# KiCad board corne-choc-wireless.kicad_pcb
title: Corne Choc Wireless; date: 2023-11-06; rev: 1.0.0; company: foostan & GsvCargoCult
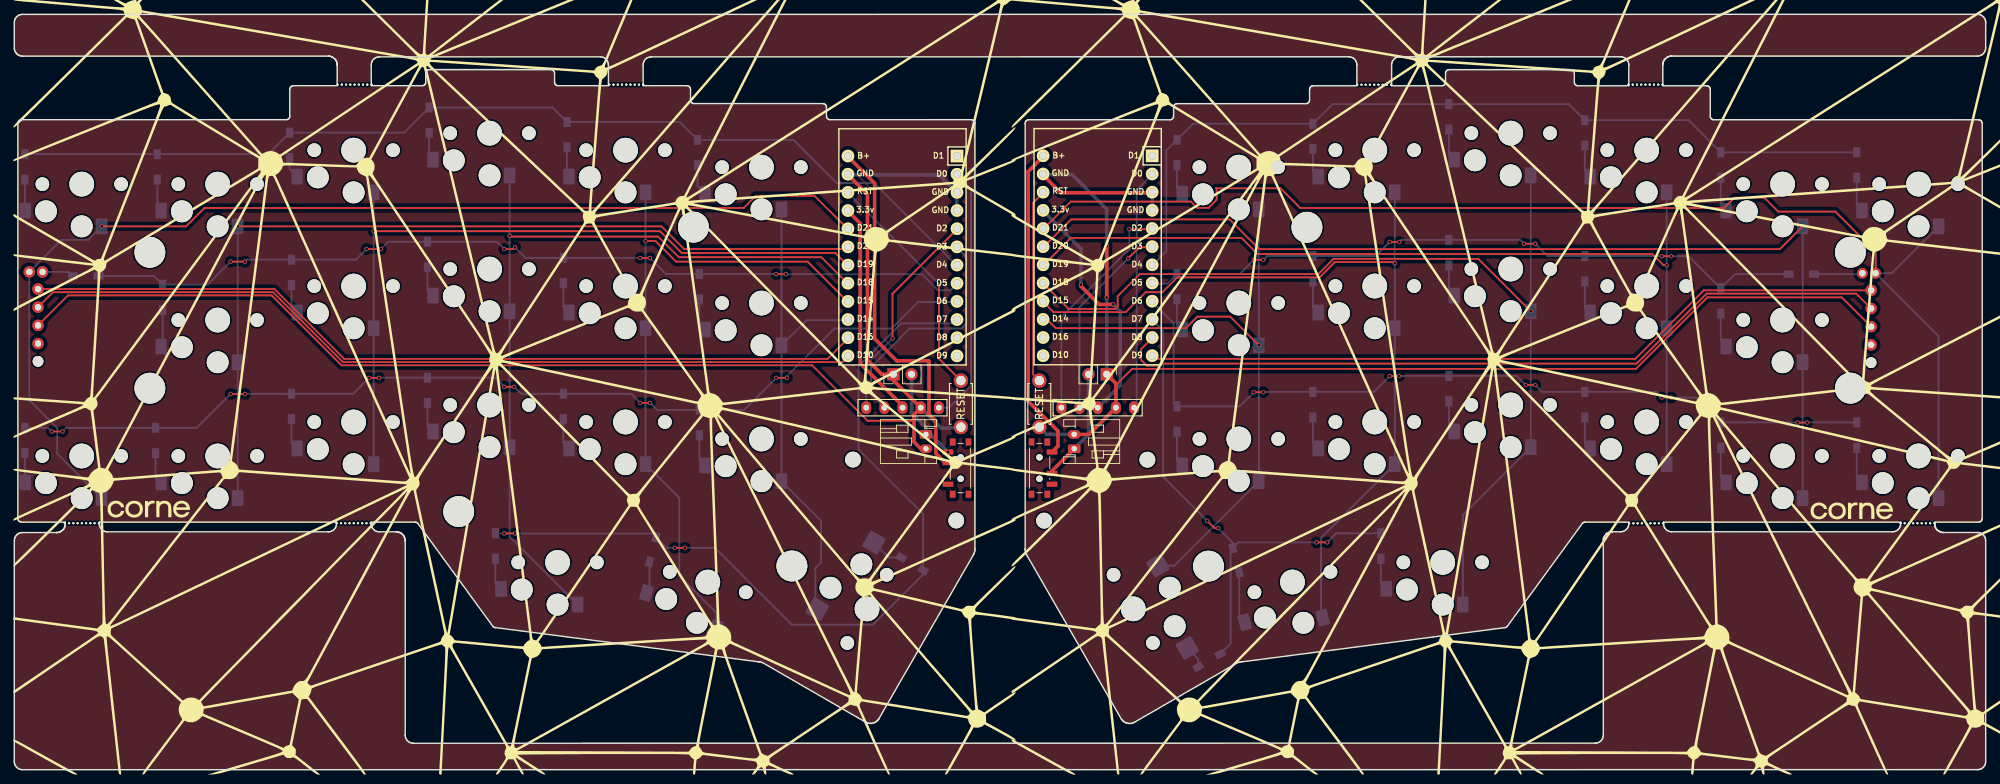
[diagram p0: board, top side]
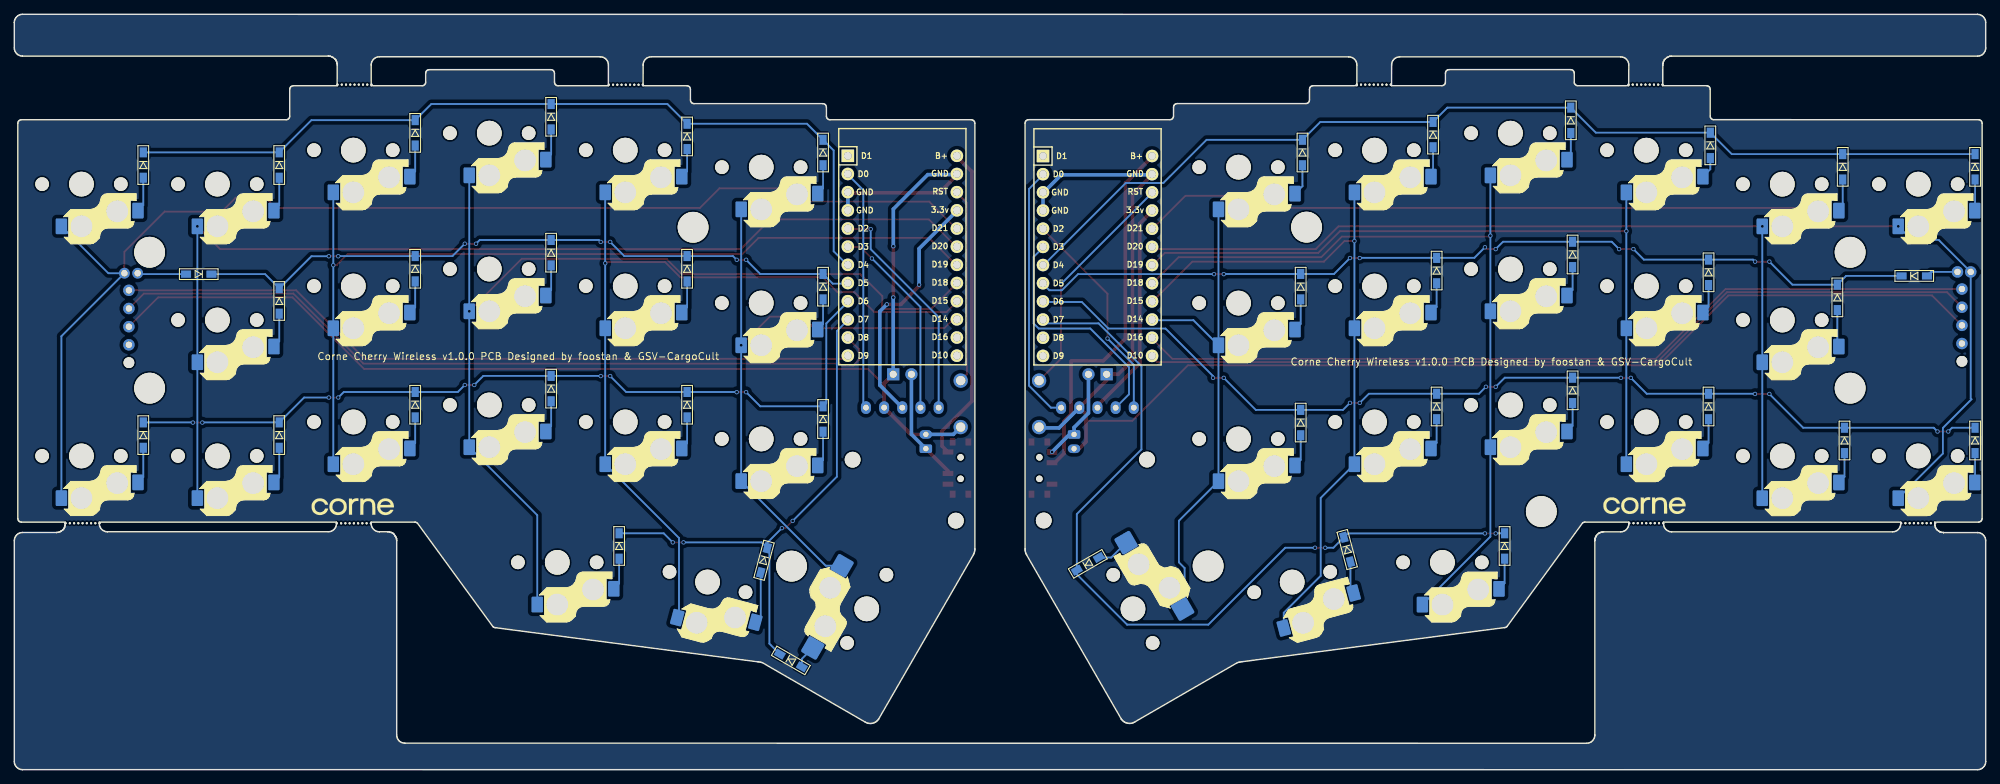
[diagram p1: board, bottom side, seen from below]

Outline 275.51 x 105.6 mm; copper layers: Top, Bottom. Coordinates in mm from the lower left corner of the outline.
Outline path: 0.5,35.12 0.5,90.36 0.53,90.53 0.6,90.66 0.7,90.76 0.83,90.83 1,90.86 38,90.87 ; 0.5,35.11 0.53,34.94 0.6,34.81 0.7,34.71 0.83,34.64 1,34.61 7.12,34.61 7.12,34.38 7.12,34.38 7.1,34.15 7.1,34.14 7.03,33.92 7.03,33.91 7.03,33.91 6.92,33.71 6.92,33.7 6.77,33.52 6.77,33.51 6.76,33.51 6.58,33.36 6.58,33.36 6.37,33.25 6.36,33.24 6.14,33.17 6.13,33.17 5.9,33.15 1.13,33.15 0.91,33.13 0.7,33.06 0.5,32.95 0.33,32.81 0.19,32.64 0.09,32.45 0.02,32.23 0,32.01 0,1.13 0.02,0.91 0.09,0.7 0.2,0.5 0.34,0.33 0.51,0.19 0.7,0.08 0.92,0.02 1.14,0 274.37,0.01 274.38,0.01 274.6,0.03 274.81,0.1 275.01,0.2 275.18,0.34 275.32,0.52 275.42,0.71 275.49,0.92 275.51,1.15 275.51,32.03 275.48,32.25 275.42,32.46 275.31,32.66 275.17,32.83 275,32.97 274.8,33.07 274.59,33.14 274.37,33.16 269.62,33.16 269.38,33.18 269.38,33.18 269.37,33.18 269.15,33.25 269.14,33.25 268.94,33.36 268.93,33.37 268.75,33.51 268.75,33.52 268.74,33.52 268.6,33.7 268.59,33.71 268.48,33.91 268.48,33.92 268.41,34.14 268.41,34.15 268.38,34.38 268.38,34.39 268.38,34.39 268.39,34.6 274.52,34.6 274.69,34.64 274.82,34.7 274.92,34.81 274.99,34.94 275.02,35.11 ; 38,90.86 38.17,90.89 38.3,90.96 38.4,91.06 38.47,91.19 38.5,91.36 ; 38.5,95.12 38.5,91.37 ; 38.5,95.11 38.53,95.28 38.6,95.41 38.7,95.51 38.83,95.58 39,95.61 45.13,95.61 45.13,98.51 45.13,98.52 45.1,98.76 45.1,98.77 45.1,98.77 45.03,98.99 45.03,98.99 44.92,99.2 44.91,99.21 44.91,99.21 44.76,99.39 44.76,99.39 44.58,99.54 44.57,99.55 44.36,99.65 44.36,99.65 44.36,99.66 44.13,99.72 44.12,99.73 43.89,99.75 1.14,99.75 0.92,99.77 0.7,99.83 0.51,99.94 0.34,100.08 0.2,100.25 0.09,100.44 0.02,100.66 0,100.88 0,104.45 0.02,104.67 0.09,104.88 0.19,105.08 0.33,105.25 0.5,105.39 0.7,105.5 0.91,105.56 1.13,105.59 1.14,105.59 274.37,105.6 274.59,105.57 274.8,105.51 275,105.4 275.17,105.27 275.31,105.09 275.42,104.9 275.48,104.69 275.51,104.46 275.51,100.9 275.49,100.68 275.42,100.46 275.32,100.27 275.18,100.09 275.01,99.95 274.81,99.85 274.6,99.78 274.38,99.76 231.61,99.76 231.38,99.73 231.37,99.73 231.14,99.66 231.14,99.66 230.93,99.55 230.93,99.54 230.92,99.54 230.75,99.4 230.74,99.39 230.74,99.39 230.59,99.21 230.59,99.2 230.59,99.2 230.59,99.2 230.48,99 230.47,98.99 230.47,98.99 230.41,98.77 230.41,98.76 230.41,98.76 230.38,98.52 230.38,98.52 230.39,95.61 236.52,95.61 236.69,95.58 236.82,95.5 236.92,95.4 236.99,95.27 237.02,95.11 ; 55.77,3.7 55.54,3.72 55.33,3.78 55.13,3.89 54.96,4.03 54.82,4.2 54.71,4.4 54.65,4.61 54.63,4.83 54.63,32.02 54.6,32.26 54.6,32.27 54.53,32.49 54.53,32.49 54.42,32.7 54.41,32.71 54.26,32.89 54.26,32.89 54.08,33.04 54.07,33.04 54.07,33.04 54.07,33.05 53.86,33.15 53.86,33.16 53.63,33.22 53.63,33.23 53.62,33.23 53.39,33.25 51.02,33.25 50.79,33.27 50.58,33.33 50.38,33.44 50.21,33.58 50.07,33.75 49.96,33.94 49.9,34.16 49.88,34.38 49.88,34.39 49.87,34.61 56,34.61 56.09,34.6 56.24,34.55 56.36,34.47 66.9,20.01 67.02,19.92 67.16,19.87 67.25,19.86 103.92,15.09 104.08,15.07 104.26,15.04 104.42,15.01 104.58,14.96 118.87,6.7 119,6.63 119.14,6.56 119.29,6.51 119.46,6.48 119.64,6.47 119.83,6.48 120,6.51 120.15,6.56 120.3,6.63 120.42,6.7 120.55,6.79 120.65,6.89 120.74,7 120.8,7.08 120.8,7.08 134.03,30.02 134.1,30.15 134.16,30.29 134.2,30.45 134.24,30.62 134.25,30.8 134.25,30.89 ; 55.77,3.7 220.93,3.71 220.94,3.71 221.16,3.73 221.37,3.8 221.57,3.9 221.74,4.04 221.88,4.22 221.98,4.41 222.05,4.63 222.07,4.85 222.07,32.02 222.09,32.26 222.09,32.26 222.09,32.27 222.16,32.49 222.16,32.49 222.17,32.5 222.28,32.7 222.28,32.71 222.43,32.89 222.43,32.89 222.43,32.9 222.61,33.04 222.62,33.05 222.82,33.16 222.83,33.16 222.83,33.16 223.05,33.23 223.06,33.23 223.29,33.26 224.5,33.26 224.72,33.28 224.94,33.35 225.13,33.45 225.3,33.59 225.44,33.77 225.55,33.96 225.61,34.18 225.63,34.4 225.64,34.6 219.52,34.6 219.43,34.6 219.28,34.54 219.16,34.46 208.62,20 208.51,19.92 208.36,19.86 208.27,19.86 171.6,15.09 171.44,15.06 171.26,15.04 171.1,15 170.94,14.96 156.65,6.7 156.52,6.62 156.39,6.56 156.23,6.5 156.07,6.47 155.88,6.46 155.69,6.47 155.52,6.5 155.37,6.55 155.23,6.62 155.1,6.69 154.99,6.78 154.88,6.88 154.78,6.98 154.72,7.07 154.72,7.07 141.49,30.01 ; 57,95.62 49.89,95.62 49.88,98.51 49.9,98.73 49.96,98.95 50.07,99.14 50.21,99.31 50.38,99.45 50.57,99.56 50.78,99.63 51.01,99.65 81.88,99.65 82.11,99.63 82.32,99.56 82.52,99.46 82.69,99.32 82.83,99.15 82.94,98.95 83,98.74 83.02,98.52 83.02,98.51 83.04,95.61 76,95.61 75.83,95.64 75.7,95.71 75.6,95.81 75.53,95.94 75.5,96.11 ; 57,95.61 57.17,95.64 57.3,95.71 57.4,95.81 57.48,95.94 57.5,96.11 ; 57.5,96.12 57.5,97.36 57.53,97.53 57.6,97.66 57.7,97.76 57.83,97.83 58,97.86 ; 75,97.87 58,97.87 ; 75,97.86 75.17,97.83 75.3,97.76 75.4,97.67 75.47,97.53 75.5,97.36 ; 75.5,96.12 75.5,97.37 ; 94,95.62 87.88,95.62 87.88,98.51 87.9,98.73 87.96,98.95 88.06,99.14 88.21,99.31 88.38,99.45 88.57,99.56 88.79,99.63 89.01,99.65 89.01,99.65 186.49,99.66 186.72,99.64 186.93,99.57 187.12,99.47 187.3,99.33 187.44,99.16 187.54,98.96 187.61,98.75 187.63,98.53 187.63,98.52 187.64,95.61 181.52,95.61 ; 94,95.61 94.17,95.59 94.3,95.51 94.4,95.42 94.47,95.28 94.5,95.11 ; 94.5,93.62 94.5,95.12 ; 94.5,93.61 94.53,93.44 94.6,93.31 94.7,93.21 94.83,93.14 95,93.11 ; 113,93.12 95,93.12 ; 113,93.11 113.17,93.08 113.3,93.01 113.4,92.92 113.47,92.78 113.5,92.61 ; 113.5,92.62 113.5,91.36 113.53,91.19 113.6,91.06 113.7,90.96 113.84,90.89 114,90.86 133.75,90.87 ; 133.75,90.86 133.92,90.84 134.05,90.76 134.15,90.67 134.22,90.53 134.25,90.36 ; 134.25,90.37 134.25,30.89 ; 141.27,90.36 141.27,30.88 ; 141.27,90.36 141.3,90.53 141.37,90.66 141.47,90.76 141.6,90.83 141.77,90.86 ; 141.27,30.88 141.27,30.79 141.29,30.6 141.32,30.44 141.37,30.28 141.43,30.14 141.5,30.01 ; 141.77,90.86 161.52,90.86 161.69,90.88 161.82,90.95 161.92,91.05 161.99,91.18 162.02,91.36 162.02,92.61 ; 162.02,92.61 162.05,92.78 162.12,92.91 162.22,93.01 162.35,93.08 162.52,93.11 ; 162.52,93.11 180.52,93.11 ; 180.52,93.11 180.69,93.13 180.81,93.21 180.92,93.3 180.99,93.43 181.02,93.61 ; 181.02,95.11 181.05,95.28 181.12,95.4 181.22,95.51 181.35,95.58 181.52,95.61 ; 181.02,93.61 181.02,95.11 ; 200.02,97.36 200.05,97.53 200.12,97.66 200.22,97.76 200.35,97.83 200.52,97.86 ; 200.02,96.11 200.02,97.36 ; 200.02,96.11 199.99,95.94 199.92,95.8 199.82,95.7 199.69,95.63 199.52,95.61 192.48,95.61 192.48,98.52 192.5,98.74 192.57,98.95 192.67,99.15 192.81,99.32 192.98,99.46 193.18,99.57 193.39,99.63 193.61,99.66 224.49,99.66 224.72,99.64 224.93,99.57 225.13,99.47 225.3,99.33 225.44,99.16 225.54,98.96 225.61,98.75 225.63,98.53 225.63,98.52 225.63,95.61 218.52,95.61 ; 200.52,97.86 217.52,97.86 ; 217.52,97.86 217.69,97.83 217.82,97.75 217.92,97.66 217.99,97.53 218.02,97.36 ; 218.02,97.36 218.02,96.11 ; 218.02,96.11 218.05,95.94 218.12,95.81 218.22,95.71 218.35,95.64 218.52,95.61 ; 237.02,95.11 237.02,91.36 ; 237.02,91.36 237.05,91.19 237.12,91.06 237.22,90.96 237.35,90.89 237.52,90.86 ; 237.52,90.86 274.52,90.86 274.69,90.83 274.82,90.75 274.92,90.66 274.99,90.52 275.02,90.36 275.02,35.11 ; 11.87,34.39 11.87,34.38 11.9,34.16 11.96,33.94 12.07,33.75 12.21,33.58 12.38,33.44 12.58,33.33 12.79,33.27 13.01,33.25 43.89,33.25 44.12,33.27 44.33,33.34 44.52,33.44 44.69,33.58 44.84,33.76 44.94,33.95 45,34.17 45.03,34.39 45.03,34.61 11.88,34.61 11.87,34.39 ; 230.48,34.4 230.48,34.39 230.51,34.17 230.57,33.95 230.68,33.76 230.82,33.59 230.99,33.45 231.19,33.34 231.4,33.28 231.62,33.26 262.5,33.26 262.72,33.28 262.94,33.35 263.13,33.45 263.3,33.59 263.44,33.77 263.55,33.96 263.61,34.18 263.63,34.4 263.64,34.61 230.49,34.61 230.48,34.4
Stack: Top 0.035mm / dielectric 1.51mm FR4 er 4.5 / Bottom 0.035mm

## Placement (name value [footprint] x y rotation side)
BATJ1  Conn_01x02_Socket  [PinHeader_1x02_P2.54mm_Vertical]  122.85 55.27 90 top
BATJ2  Conn_01x02_Socket  [JST_PH_S2B-PH-K_1x02_P2.00mm_Horizontal]  127.4 46.86 270 top
BATJ3  Conn_01x02_Socket  [PinHeader_1x02_P2.54mm_Vertical]  152.68 55.27 270 top
BATJ4  Conn_01x02_Socket  [JST_PH_S2B-PH-K_1x02_P2.00mm_Horizontal]  148.12 44.87 90 top
D1  D  [D3_SMD_v2]  1.48 84.27 270 bottom
D2  D  [D3_SMD_v2]  19.98 84.27 270 bottom
D3  D  [D3_SMD_v2]  38.48 87.27 270 bottom
D4  D  [D3_SMD_v2]  57.98 90.77 270 bottom
D5  D  [D3_SMD_v2]  77.23 88.77 270 bottom
D6  D  [D3_SMD_v2]  95.48 86.27 270 bottom
D7  D  [D3_SMD_v2]  9.98 69.02 180 bottom
D8  D  [D3_SMD_v2]  20.73 66.02 270 bottom
D9  D  [D3_SMD_v2]  38.73 69.52 270 bottom
D10  D  [D3_SMD_v2]  57.73 72.02 270 bottom
D11  D  [D3_SMD_v2]  76.73 69.77 270 bottom
D12  D  [D3_SMD_v2]  95.73 67.52 270 bottom
D13  D  [D3_SMD_v2]  1.48 46.02 270 bottom
D14  D  [D3_SMD_v2]  19.73 46.02 270 bottom
D15  D  [D3_SMD_v2]  38.73 50.77 270 bottom
D16  D  [D3_SMD_v2]  57.73 53.02 270 bottom
D17  D  [D3_SMD_v2]  76.73 50.77 270 bottom
D18  D  [D3_SMD_v2]  95.73 48.52 270 bottom
D19  D  [D3_SMD_v2]  67.23 31.27 270 bottom
D20  D  [D3_SMD_v2]  89.23 30.77 255 bottom
D21  D  [D3_SMD_v2]  125.48 28.77 150 bottom
D22  D  [D3_SMD_v2]  257.48 84.52 270 bottom
D23  D  [D3_SMD_v2]  238.48 84.52 270 bottom
D24  D  [D3_SMD_v2]  219.48 89.02 270 bottom
D25  D  [D3_SMD_v2]  200.48 91.27 270 bottom
D26  D  [D3_SMD_v2]  181.48 88.52 270 bottom
D27  D  [D3_SMD_v2]  162.48 86.27 270 bottom
D28  D  [D3_SMD_v2]  249.73 69.27 0 bottom
D29  D  [D3_SMD_v2]  238.48 65.52 270 bottom
D30  D  [D3_SMD_v2]  219.48 70.02 270 bottom
D31  D  [D3_SMD_v2]  200.48 72.27 270 bottom
D32  D  [D3_SMD_v2]  181.48 70.02 270 bottom
D33  D  [D3_SMD_v2]  162.48 67.52 270 bottom
D34  D  [D3_SMD_v2]  257.48 46.77 270 bottom
D35  D  [D3_SMD_v2]  238.48 46.77 270 bottom
D36  D  [D3_SMD_v2]  219.48 51.02 270 bottom
D37  D  [D3_SMD_v2]  200.48 53.27 270 bottom
D38  D  [D3_SMD_v2]  181.48 51.02 270 bottom
D39  D  [D3_SMD_v2]  162.48 49.02 270 bottom
D40  D  [D3_SMD_v2]  190.98 31.27 270 bottom
D41  D  [D3_SMD_v2]  170.73 29.27 285 bottom
D42  D  [D3_SMD_v2]  166.98 15.27 210 bottom
G***  -  [LOGO]  209.4 69.34 0 top
G***#2  LOGO  [corne-logo-horizontal]  256.9 36.09 0 top
G***#3  LOGO  [corne-logo-horizontal]  18.9 36.34 0 top
G***#4  -  [LOGO]  69.9 69.34 0 top
G***#5  LOGO  [corne-logo-horizontal]  47.57 36.83 180 bottom
G***#6  LOGO  [corne-logo-horizontal]  228.1 36.68 180 bottom
J2  Nice!View  [nice_view_1side]  119.06 50.61 0 top
J4  Nice!View  [nice_view_1side]  146.33 50.61 0 top
L_ENC1  RollerEncoder_EVQWGD001  [RotaryEncoder_EVQWGD001#2]  8.94 63.38 0 top
PSW1  SW_SPDT  [SW_SPDT_PCM12]  131.92 42.16 90 top
PSW_r1  SW_SPDT  [SW_SPDT_PCM12]  143.6 42.16 270 top
R_ENC1  RollerEncoder_EVQWGD001  [RotaryEncoder_EVQWGD001]  265.12 63.2 0 top
REF**  -  [Breakaway_Tabs]  47.55 95.77 0 top
Ref**  Val**  [M2_HOLE_v2]  256.6 72.33 180 top
REF**#2  -  [Breakaway_Tabs]  85.52 95.76 0 top
Ref**#2  Val**  [M2_HOLE_v2#3]  131.64 34.83 0 top
REF**#3  -  [Breakaway_Tabs]  47.44 34.46 0 top
Ref**#3  Val**  [M2_HOLE_v2]  108.67 28.47 0 top
Ref**#4  Val**  [M2_HOLE_v2]  62.1 36.09 0 top
REF**#4  -  [Breakaway_Tabs]  9.44 34.46 0 top
Ref**#5  Val**  [M2_HOLE_v2#3]  117.21 43.36 0 top
REF**#5  -  [Breakaway_Tabs]  265.97 34.45 180 bottom
Ref**#6  Val**  [M2_HOLE_v2#2]  16.86 63.47 0 top
REF**#6  -  [Breakaway_Tabs]  190.05 95.75 180 bottom
Ref**#7  Val**  [M2_HOLE_v2]  94.91 75.84 0 top
REF**#7  -  [Breakaway_Tabs]  227.96 95.76 180 bottom
Ref**#8  Val**  [M2_HOLE_v2]  18.95 72.33 0 top
REF**#8  -  [Breakaway_Tabs]  228.05 34.44 180 bottom
Ref**#9  Val**  [M2_HOLE_v2]  166.89 28.45 180 top
Ref**#10  Val**  [M2_HOLE_v2]  180.65 75.82 180 top
Ref**#11  Val**  [M2_HOLE_v2#2]  258.69 63.47 180 bottom
Ref**#12  Val**  [M2_HOLE_v2#3]  158.35 43.34 180 bottom
Ref**#13  Val**  [M2_HOLE_v2#3]  143.92 34.81 180 bottom
RSW1  SW_PUSH  [ResetSW_1side]  132.29 51.14 90 top
RSW2  SW_PUSH  [ResetSW_1side]  143.25 51.14 90 top
SW1  SW_PUSH  [Hotswap_Choc_V1_MX_1.00u]  9.42 81.85 0 top
SW2  SW_PUSH  [Hotswap_Choc_V1_MX_1.00u]  28.42 81.85 0 top
SW3  SW_PUSH  [Hotswap_Choc_V1_MX_1.00u]  47.42 86.6 0 top
SW4  SW_PUSH  [Hotswap_Choc_V1_MX_1.00u]  66.42 88.98 0 top
SW5  SW_PUSH  [Hotswap_Choc_V1_MX_1.00u]  85.42 86.6 0 top
SW6  SW_PUSH  [Hotswap_Choc_V1_MX_1.00u]  104.42 84.23 0 top
SW8  SW_PUSH  [Hotswap_Choc_V1_MX_1.00u]  28.42 62.85 0 top
SW9  SW_PUSH  [Hotswap_Choc_V1_MX_1.00u]  47.42 67.6 0 top
SW10  SW_PUSH  [Hotswap_Choc_V1_MX_1.00u]  66.42 69.98 0 top
SW11  SW_PUSH  [Hotswap_Choc_V1_MX_1.00u]  85.42 67.6 0 top
SW12  SW_PUSH  [Hotswap_Choc_V1_MX_1.00u]  104.42 65.23 0 top
SW13  SW_PUSH  [Hotswap_Choc_V1_MX_1.00u]  9.42 43.85 0 top
SW14  SW_PUSH  [Hotswap_Choc_V1_MX_1.00u]  28.42 43.85 0 top
SW15  SW_PUSH  [Hotswap_Choc_V1_MX_1.00u]  47.42 48.6 0 top
SW16  SW_PUSH  [Hotswap_Choc_V1_MX_1.00u]  66.42 50.98 0 top
SW17  SW_PUSH  [Hotswap_Choc_V1_MX_1.00u]  85.42 48.6 0 top
SW18  SW_PUSH  [Hotswap_Choc_V1_MX_1.00u]  104.42 46.23 0 top
SW19  SW_PUSH  [Hotswap_Choc_V1_MX_1.00u]  75.92 28.98 0 top
SW20  SW_PUSH  [Hotswap_Choc_V1_MX_1.00u]  96.92 26.23 345 top
SW21  SW_PUSH  [Hotswap_Choc_V1_1.50u]  119.17 22.48 60 top
SW22  SW_PUSH  [Hotswap_Choc_V1_MX_1.00u]  266.13 81.86 0 top
SW23  SW_PUSH  [Hotswap_Choc_V1_MX_1.00u]  247.13 81.86 0 top
SW24  SW_PUSH  [Hotswap_Choc_V1_MX_1.00u]  228.13 86.61 0 top
SW25  SW_PUSH  [Hotswap_Choc_V1_MX_1.00u]  209.13 88.98 0 top
SW26  SW_PUSH  [Hotswap_Choc_V1_MX_1.00u]  190.13 86.61 0 top
SW27  SW_PUSH  [Hotswap_Choc_V1_MX_1.00u]  171.12 84.23 0 top
SW29  SW_PUSH  [Hotswap_Choc_V1_MX_1.00u]  247.13 62.86 0 top
SW30  SW_PUSH  [Hotswap_Choc_V1_MX_1.00u]  228.13 67.61 0 top
SW31  SW_PUSH  [Hotswap_Choc_V1_MX_1.00u]  209.13 69.98 0 top
SW32  SW_PUSH  [Hotswap_Choc_V1_MX_1.00u]  190.13 67.61 0 top
SW33  SW_PUSH  [Hotswap_Choc_V1_MX_1.00u]  171.13 65.23 0 top
SW34  SW_PUSH  [Hotswap_Choc_V1_MX_1.00u]  266.13 43.86 0 top
SW35  SW_PUSH  [Hotswap_Choc_V1_MX_1.00u]  247.13 43.86 0 top
SW36  SW_PUSH  [Hotswap_Choc_V1_MX_1.00u]  228.13 48.61 0 top
SW37  SW_PUSH  [Hotswap_Choc_V1_MX_1.00u]  209.13 50.98 0 top
SW38  SW_PUSH  [Hotswap_Choc_V1_MX_1.00u]  190.13 48.61 0 top
SW39  SW_PUSH  [Hotswap_Choc_V1_MX_1.00u]  171.13 46.23 0 top
SW40  SW_PUSH  [Hotswap_Choc_V1_MX_1.00u]  199.63 28.98 0 top
SW41  SW_PUSH  [Hotswap_Choc_V1_MX_1.00u]  178.63 26.23 15 top
SW42  SW_PUSH  [Hotswap_Choc_V1_1.50u]  156.38 22.48 300 top
U1  Nice!Nano  [Nice_Nano_V2_Flipped]  124.13 71.81 0 top
U2  Nice!Nano  [Nice_Nano_V2_Flipped]  151.4 71.84 0 top

## Library data of the parts
BATJ1-BATJ4 = -: Description: Generic connector, single row, 01x02, script generated
D1-D42 = -: Description: Diode
J2 J4 = -: Description: Generic connector, single row, 01x05, script generated (kicad-library-utils/schlib/autogen/connector/)
PSW1 PSW_r1 = -: Description: Switch, single pole double throw
U1 = -: Field4: D7; Field5: GND
U2 = -: Field4: GND; Field5: D7

## Footprints (pads in the part's own frame, mm; a bottom-side part is the same pattern mirrored in y, then rotated)
Breakaway_Tabs
  round 0.3 hole 0.3 unplated: (-2.375,0) (-1.781,0) (-1.188,0) (-0.594,0) (0,0) (0.594,0) (1.188,0) (1.781,0) (2.375,0)
D3_SMD_v2
  rect 1.4x1 smd: 1(-1.775,0) 2(1.775,0)
Hotswap_Choc_V1_1.50u
  round 1.9 hole 1.9 unplated: (-5.5,0) (5.5,0)
  round 3.05 hole 3.05 unplated: (0,5.9) (5,3.8)
  round 3.45 hole 3.45 unplated: (0,0)
  rrect 2.55x2.5 smd far side: 1(-3.5,6) 2(8.5,3.8)
Hotswap_Choc_V1_MX_1.00u
  round 1.9 hole 1.9 unplated: (-5.5,0) (5.5,0)
  round 3.05 hole 3.05 unplated: (-5,-3.8) (0,-5.9)
  round 3.45 hole 3.45 unplated: (0,0)
  rrect 1.6x2.2 smd far side: 1(2.8,-5.9) 2(-7.9,-3.7)
JST_PH_S2B-PH-K_1x02_P2.00mm_Horizontal
  rrect 1.2x1.75 hole 0.75: 1(0,0)
  oval 1.2x1.75 hole 0.75: 2(2,0)
M2_HOLE_v2
  round 4.3 hole 4.3 unplated: (0,0)
M2_HOLE_v2#3
  round 2.2 hole 2.2 unplated: (0,0)
M2_HOLE_v2#2
  round 4.3 hole 4.3 unplated: (2.088,-10.14)
Nice_Nano_V2_Flipped
  rect 1.753x1.753 hole 1.092: 1(7.62,13.97)
  round 1.753 hole 1.092: 2(7.62,11.43) 3(7.62,8.89) 4(7.62,6.35) 5(7.62,3.81) 6(7.62,1.27) 7(7.62,-1.27) 8(7.62,-3.81) 9(7.62,-6.35) 10(7.62,-8.89) 11(7.62,-11.43) 12(7.62,-13.97) 13(-7.62,-13.97) 14(-7.62,-11.43) 15(-7.62,-8.89) 16(-7.62,-6.35) 17(-7.62,-3.81) 18(-7.62,-1.27) 19(-7.62,1.27) 20(-7.62,3.81) 21(-7.62,6.35) 22(-7.62,8.89) 23(-7.62,11.43) 24(-7.62,13.97)
nice_view_1side
  oval 1.397x1.778 hole 0.813: 1(0,0) 2(2.54,0) 3(5.08,0) 4(7.62,0) 5(10.16,0)
PinHeader_1x02_P2.54mm_Vertical
  rect 1.7x1.7 hole 1: 1(0,0)
  oval 1.7x1.7 hole 1: 2(0,-2.54)
ResetSW_1side
  round 2 hole 1.3: 1(3.25,0) 2(-3.25,0)
RotaryEncoder_EVQWGD001
  round 1.5 hole 1.5 unplated: (-5.625,-6.3)
  round 1.6 hole 0.9: A(-5.625,3.81) B(-5.625,1.27) C(-5.625,-1.27) D(-5.625,-3.81)
  round 1.5 hole 0.9: S1(-6.85,6.2) S2(-5,6.2)
RotaryEncoder_EVQWGD001#2
  round 1.5 hole 1.5 unplated: (-5.625,-6.3)
  round 1.6 hole 0.9: A(-5.625,3.81) B(-5.625,1.27) C(-5.625,-1.27) D(-5.625,-3.81) S1(-6.85,6.2) S2(-5,6.2)
SW_SPDT_PCM12
  rect 1x0.8 smd: (-3.65,0.78) (-3.65,-1.43) (3.65,0.78) (3.65,-1.43)
  round 0.9 hole 0.9 unplated: (-1.5,-0.33) (1.5,-0.33)
  rect 0.7x1.5 smd: 1(-2.25,1.43) 2(0.75,1.43) 3(2.25,1.43)

## Nets
GND: BATJ1.1 BATJ2.2 J2.4 L_ENC1.C RSW1.2 U1.3 U1.4 U1.23
GNDA: BATJ3.1 BATJ4.2 J4.4 R_ENC1.C RSW2.2 U2.3 U2.4 U2.23
VCC: J2.3 U1.21
VDD: J4.3 U2.21
+BATT: PSW1.2 U1.24
+BATTA: PSW_r1.1 U2.24
col1: SW2.1 SW8.1 SW14.1 U1.19
col1_r: SW23.1 SW29.1 SW35.1 U2.19
col2: SW3.1 SW9.1 SW15.1 U1.18
col2_r: SW24.1 SW30.1 SW36.1 U2.18
col3: SW4.1 SW10.1 SW16.1 SW19.1 U1.17
col3_r: SW25.1 SW31.1 SW37.1 SW40.1 U2.17
col4: SW5.1 SW11.1 SW17.1 SW20.1 U1.16
col4_r: SW26.1 SW32.1 SW38.1 SW41.1 U2.16
col5: SW6.1 SW12.1 SW18.1 SW21.1 U1.15
col5_r: SW27.1 SW33.1 SW39.1 SW42.1 U2.15
CS: J2.5 U1.2
CS_r: J4.5 U2.2
L_Enc_1: L_ENC1.S1 SW1.1 SW13.1 U1.20
L_Enc_2: D7.2 L_ENC1.S2
L_ENC_A: L_ENC1.A U1.14
L_ENC_B: L_ENC1.B U1.13
R_Enc_1: R_ENC1.S2 SW22.1 SW34.1 U2.20
R_Enc_2: D28.2 R_ENC1.S1
R_ENC_A: R_ENC1.A U2.12
R_ENC_B: R_ENC1.B U2.11
reset: RSW1.1 U1.22
reset_r: RSW2.1 U2.22
row0: D1.1 D2.1 D3.1 D4.1 D5.1 D6.1 U1.7
row0_r: D22.1 D23.1 D24.1 D25.1 D26.1 D27.1 U2.7
row1: D7.1 D8.1 D9.1 D10.1 D11.1 D12.1 U1.8
row1_r: D28.1 D29.1 D30.1 D31.1 D32.1 D33.1 U2.8
row2: D13.1 D14.1 D15.1 D16.1 D17.1 D18.1 U1.9
row2_r: D34.1 D35.1 D36.1 D37.1 D38.1 D39.1 U2.9
row3: D19.1 D20.1 D21.1 U1.10
row3_r: D40.1 D41.1 D42.1 U2.10
SCL: J2.2 U1.6
SCL_r: J4.2 U2.6
SDA: J2.1 U1.5
SDA_r: J4.1 U2.5
Net-(BATJ1-Pin_2): BATJ1.2 BATJ2.1 PSW1.3
Net-(BATJ3-Pin_2): BATJ3.2 BATJ4.1 PSW_r1.2
Net-(D1-A): D1.2 SW1.2
Net-(D2-A): D2.2 SW2.2
Net-(D3-A): D3.2 SW3.2
Net-(D4-A): D4.2 SW4.2
Net-(D5-A): D5.2 SW5.2
Net-(D6-A): D6.2 SW6.2
Net-(D8-A): D8.2 SW8.2
Net-(D9-A): D9.2 SW9.2
Net-(D10-A): D10.2 SW10.2
Net-(D11-A): D11.2 SW11.2
Net-(D12-A): D12.2 SW12.2
Net-(D13-A): D13.2 SW13.2
Net-(D14-A): D14.2 SW14.2
Net-(D15-A): D15.2 SW15.2
Net-(D16-A): D16.2 SW16.2
Net-(D17-A): D17.2 SW17.2
Net-(D18-A): D18.2 SW18.2
Net-(D19-A): D19.2 SW19.2
Net-(D20-A): D20.2 SW20.2
Net-(D21-A): D21.2 SW21.2
Net-(D22-A): D22.2 SW22.2
Net-(D23-A): D23.2 SW23.2
Net-(D24-A): D24.2 SW24.2
Net-(D25-A): D25.2 SW25.2
Net-(D26-A): D26.2 SW26.2
Net-(D27-A): D27.2 SW27.2
Net-(D29-A): D29.2 SW29.2
Net-(D30-A): D30.2 SW30.2
Net-(D31-A): D31.2 SW31.2
Net-(D32-A): D32.2 SW32.2
Net-(D33-A): D33.2 SW33.2
Net-(D34-A): D34.2 SW34.2
Net-(D35-A): D35.2 SW35.2
Net-(D36-A): D36.2 SW36.2
Net-(D37-A): D37.2 SW37.2
Net-(D38-A): D38.2 SW38.2
Net-(D39-A): D39.2 SW39.2
Net-(D40-A): D40.2 SW40.2
Net-(D41-A): D41.2 SW41.2
Net-(D42-A): D42.2 SW42.2

Pads without a net: L_ENC1 D; PSW1 1; PSW_r1 3; R_ENC1 D; U1 1 11 12; U2 1 13 14

## Via types
v1: diameter 0.6, hole 0.4, Top to Bottom, 67 vias

## Routing (per net, layer and track width the routed paths; a pad name or vN(x,y) marks a point on that pad's centre or on a via; arc(x,y) is an arc through that point)
GND: length 201.2
  Top w0.25: 125.73,48.77 119.25,48.77 111.49,56.53 45.74,56.53 35.97,66.29 7.5,66.29 L_ENC1.C
  Top w0.5: BATJ2.2 126.69,44.86 125.73,45.82 125.73,49.66 126.2,50.13 ; 116.52,83.15 119.23,80.44 119.23,57.27 121.23,55.27 BATJ1.1 122.85,54.43 J2.4
  Bottom w0.5: 116.52,83.15 129.2,83.15 131.74,80.61 131.74,78.07 ; 132.23,47.77 129.51,47.77 J2.4
GNDA: length 183
  Top w0.25: 153.95,53.77 156.2,56.02 226.62,56.02 236.62,66.02 255.4,66.02 R_ENC1.C
  Top w0.5: v1(152.66,66) v1(152.66,73.17) ; 143.71,83.18 146.25,80.64 159.01,80.64 ; BATJ3.1 153.95,54 J4.4 150.21,46.87 BATJ4.2
  Bottom w0.5: BATJ4.2 144.27,46.87 RSW2.2 ; BATJ3.1 152.68,65.99 v1(152.66,66) ; v1(152.66,73.17) 152.66,78.37 147.85,83.18 143.79,83.18 ; 159.01,80.64 159.01,78.1
VCC: length 30.4
  Top w0.5: 124.14,50.87 118.23,56.77 118.23,76.36 116.52,78.07
VDD: length 34.4
  Top w0.5: v1(153.57,65.04) 151.6,65.04 149.06,67.58 v1(149.06,67.8)
  Bottom w0.5: 143.79,78.1 149.06,72.83 v1(149.06,67.8) ; v1(153.57,65.04) 154.55,64.06 154.55,53.76 J4.3
+BATT: length 51.1
  Top w0.5: 130.09,42.91 128.79,44.21 128.79,48.72 127.73,49.77 127.73,49.85 127.82,49.94 127.82,57.07 127.73,57.16 123.31,57.16 120.23,60.25 120.23,81.98 116.52,85.69
+BATTA: length 44.2
  Top w0.5: 143.79,85.72 141.69,83.62 141.69,51.5 145.85,47.34 145.85,45.24 PSW_r1.1
col1: length 124.4
  Top w0.25: v1(31.22,75.95) 90.44,75.95 93.61,72.78 116.31,72.78
  Bottom w0.25: v1(31.22,75.95) SW8.1 SW14.1
col1_r: length 148.8
  Top w0.25: v1(249.93,75.96) 246.74,72.77 173.99,72.77 169.84,76.92 147.69,76.92 143.79,73.02
  Bottom w0.25: SW35.1 SW29.1 v1(249.93,75.96)
col2: length 106.3
  Top w0.25: 116.52,70.45 114.73,72.23 93.27,72.23 90.23,75.27 v1(50.22,75.27)
  Bottom w0.25: SW3.1 SW9.1 SW15.1
col2_r: length 128.3
  Top w0.25: 143.79,70.48 147.65,74.34 171.49,74.34 173.75,72.08 228.92,72.08 230.48,70.52 v1(230.93,70.52)
  Bottom w0.25: 230.93,42.71 SW30.1 v1(230.93,70.52) SW24.1
col3: length 114
  Top w0.25: v1(69.22,74.65) 69.35,74.52 89.98,74.52 92.87,71.63 112.79,71.63 116.52,67.91
  Bottom w0.25: SW4.1 SW10.1 SW16.1 69.22,32.58 SW19.1
col3_r: length 140.3
  Top w0.25: v1(211.93,64.08) 204.59,71.42 184.38,71.42 182.23,69.27 157.28,69.27 154.2,66.19 154.2,64.79 153.83,64.42 147.34,64.42 143.79,67.97
  Bottom w0.25: SW40.1 202.43,35.58 SW37.1 v1(211.93,64.08) SW25.1
col4: length 96.8
  Top w0.25: 116.52,65.37 110.86,71.02 92.48,71.02 89.61,73.9 v1(88.22,73.9)
  Bottom w0.25: SW5.1 SW11.1 SW17.1 92.93,37.99 92.93,27.1 98.1,21.94 SW20.1
col4_r: length 116.3
  Top w0.25: 143.79,65.4 145.22,63.97 155.33,63.97 158.1,66.74 160.45,66.74 162.53,68.82 182.42,68.82 184.56,70.97 192.93,70.97 v1(192.93,70.79)
  Bottom w0.25: 182.62,21.5 182.62,32.4 192.93,42.71 v1(192.93,70.79) SW26.1
col5: length 69
  Bottom w0.25: 107.22,59.33 SW6.1 ; 107.22,59.33 110.72,62.83 116.52,62.83 ; 107.22,59.33 107.22,40.33 112.75,34.8 112.75,28.99 111.95,28.19 111.95,22.72
col5_r: length 89.9
  Top w0.25: v1(173.93,59.33) 169.93,63.33 165.34,63.33 163.73,61.72 145.54,61.72 143.98,63.27
  Bottom w0.25: SW42.1 162.11,28.52 SW39.1 v1(173.93,59.33) ; SW27.1 173.92,59.34
CS: length 36
  Bottom w0.254: 131.74,83.15 133.7,81.19 133.7,53.68 130.62,50.61 J2.5
CS_r: length 33.1
  Bottom w0.254: 159.01,83.18 156.85,81.02 156.85,51.01
L_Enc_1: length 156.7
  Top w0.25: v1(12.22,75.95) 24.01,75.95 26.58,78.52 101.93,78.52 103.63,80.23 111.82,80.23 116.52,75.53
  Bottom w0.25: SW13.1 5.98,44.19 5.98,47.77 1.98,51.77 2.09,51.88 L_ENC1.S1 6.56,74.05 10.32,74.05 v1(12.22,75.95)
L_Enc_2: length 4.5
  Bottom w0.25: D7.2 7.65,69.58 L_ENC1.S2
L_ENC_A: length 118.4
  Top w0.25: 116.52,60.29 113.65,57.43 46.11,57.43 36.34,67.19 L_ENC1.A
L_ENC_B: length 118.4
  Top w0.25: 116.52,57.75 115.74,56.98 45.92,56.98 36.16,66.74 5.41,66.74 L_ENC1.B
R_Enc_1: length 174.9
  Top w0.25: 143.79,75.56 147.65,79.42 164.44,79.42 165.33,78.53 166.91,78.53 168.02,79.64 168.02,81.22 167.96,81.27 176.95,81.27 179.7,78.52 238.98,78.52 240.41,79.96 244.57,79.96 246.51,78.02 254.49,78.02 260.12,72.39 R_ENC1.S2
  Bottom w0.25: SW34.1 268.93,60.59 R_ENC1.S2 262.37,69.4 SW22.1
R_Enc_2: length 6.6
  Bottom w0.25: D28.2 258.14,69.27
R_ENC_A: length 104.1
  Top w0.25: R_ENC1.A 236.12,67.01 226.54,57.43 159.36,57.43
R_ENC_B: length 111.1
  Top w0.25: 159.01,60.32 157.48,58.79 157.48,57.27 158.28,56.47 159.84,56.47 160.14,56.77 226.73,56.77 236.52,66.56 257.41,66.56 R_ENC1.B
reset: length 32.8
  Top w0.254: RSW1.1 129.23,57.45 v1(129.23,67.77)
  Bottom w0.254: 116.52,80.61 129.23,67.9 v1(129.23,67.77)
reset_r: length 26.4
  Top w0.254: 143.79,80.64 142.38,79.23 142.38,55.26 142.7,54.94
row0: length 142.1
  Bottom w0.25: 131.74,70.45 120.17,82.02 114.92,82.02 108.89,88.05 D6.1 92.98,90.55 D5.1 75.23,92.55 D4.1 54.48,89.05 D3.1 35.48,86.05 D2.1 D1.1
row0_r: length 118.9
  Bottom w0.25: D22.1 D23.1 233.98,90.8 D24.1 217.23,93.05 D25.1 184.23,93.05 D26.1 164.73,90.3 D27.1 161,86.57 161,72.47 159.01,70.48
row1: length 126.4
  Top w0.25: v1(30.23,71.02) v1(32.23,71.02) ; v1(49.23,72.77) v1(51.23,72.77) ; v1(68.48,72.77) 69.73,72.77 v1(69.98,73.02) ; v1(106.48,69.27) v1(107.85,69.27) ; v1(87.48,71.52) v1(88.85,71.52)
  Bottom w0.25: v1(88.85,71.52) 91.07,69.3 D12.1 106.46,69.3 v1(106.48,69.27) ; v1(68.48,72.77) 67.46,73.8 D10.1 52.26,73.8 v1(51.23,72.77) ; v1(49.23,72.77) 47.76,71.3 D9.1 32.51,71.3 v1(32.23,71.02) ; v1(30.23,71.02) 27.01,67.8 D8.1 19.51,69.02 D7.1 ; v1(69.98,73.02) 71.46,71.55 D11.1 87.46,71.55 v1(87.48,71.52) ; 131.74,67.91 130.85,67.02 129.1,67.02 126.85,69.27 v1(107.85,69.27)
row1_r: length 94.9
  Top w0.25: v1(210.98,73.52) v1(212.55,73.52) ; v1(230.23,71.77) v1(231.55,71.77) ; v1(192.23,73.77) v1(193.55,73.77) ; v1(173.23,71.27) v1(174.55,71.27)
  Bottom w0.25: v1(173.23,71.27) 171.26,69.3 D33.1 161.13,67.94 159.01,67.94 ; v1(230.23,71.77) 230.21,71.8 D30.1 214.28,71.8 v1(212.55,73.52) ; v1(231.55,71.77) 233.98,71.77 238.46,67.3 ; v1(193.55,73.77) 193.83,74.05 D31.1 210.46,74.05 v1(210.98,73.52) ; v1(192.23,73.77) 190.26,71.8 D32.1 175.07,71.8 v1(174.55,71.27) ; D29.1 240.46,69.27 247.78,69.27
row2: length 141.8
  Top w0.25: v1(87.48,51.27) v1(88.85,51.27) ; v1(49.6,54.77) v1(50.98,54.77) ; v1(68.48,53.52) v1(69.85,53.52) ; v1(106.48,54.77) v1(107.98,54.77) ; v1(5.23,47.27) v1(6.73,47.27) ; v1(30.23,52.52) v1(32.23,52.52)
  Bottom w0.25: v1(87.48,51.27) 86.21,52.55 D17.1 70.82,52.55 v1(69.85,53.52) ; v1(107.98,54.77) 107.98,55.02 114.63,61.67 122.61,61.67 126.31,65.37 131.74,65.37 ; v1(106.48,54.77) 102.01,50.3 D18.1 89.82,50.3 v1(88.85,51.27) ; v1(49.6,54.77) 47.37,52.55 D15.1 32.26,52.55 v1(32.23,52.52) ; v1(5.23,47.27) 4.71,47.8 D13.1 ; v1(68.48,53.52) 67.21,54.8 D16.1 51.01,54.8 v1(50.98,54.77) ; v1(6.73,47.27) 7.26,47.8 D14.1 25.51,47.8 v1(30.23,52.52)
row2_r: length 115.5
  Top w0.25: v1(231.55,52.02) v1(230.23,52.02) ; v1(250.55,48.52) v1(249.23,48.52) ; v1(212.55,53.77) v1(211.23,53.77) ; v1(193.55,55.02) v1(192.23,55.02) ; v1(174.55,52.77) v1(173.23,52.77)
  Bottom w0.25: v1(211.23,53.77) 209.96,55.05 D37.1 193.58,55.05 v1(193.55,55.02) ; 159.01,65.4 162.03,62.38 162.03,51.25 D39.1 171.26,50.8 v1(173.23,52.77) ; v1(250.55,48.52) 250.58,48.55 D34.1 ; v1(231.55,52.02) 235.01,52.02 D35.1 249.21,48.55 v1(249.23,48.52) ; v1(230.23,52.02) 229.46,52.8 D36.1 213.53,52.8 v1(212.55,53.77) ; v1(192.23,55.02) 190.01,52.8 D38.1 174.58,52.8 v1(174.55,52.77)
row3: length 117.2
  Top w0.25: v1(68.48,33.02) v1(69.98,33.02) ; v1(92.31,31.02) v1(93.73,31.02)
  Bottom w0.25: v1(92.31,31.02) 91.16,31.02 D20.1 89.16,33.02 v1(69.98,33.02) ; v1(93.73,31.02) 97.89,31.02 108.64,20.27 119.99,20.27 127.02,27.31 D21.1 127.02,35.74 117.98,44.77 117.98,56.41 123.97,62.39 131.3,62.39 131.74,62.83 ; D19.1 68.46,33.05 v1(68.48,33.02)
row3_r: length 73.5
  Top w0.25: v1(166.73,34.77) 167.74,33.77 v1(168.24,33.77) ; v1(183.48,31.77) v1(181.98,31.77)
  Bottom w0.25: v1(168.24,33.77) 170.27,31.73 D41.1 171.06,31.77 v1(181.98,31.77) ; 159.01,62.86 160.55,61.32 160.55,40.95 v1(166.73,34.77) ; D42.1 169.98,17.62 169.98,30.7 ; v1(183.48,31.77) 184.76,33.05 D40.1
SCL: length 33.4
  Bottom w0.254: J2.2 119.73,52.47 119.73,56.27 125.13,61.67 132.34,61.67 133.05,62.38 133.05,71.68 131.74,72.99
SCL_r: length 27.7
  Top w0.254: v1(155.65,71.46) 157.21,73.02 159.01,73.02
  Bottom w0.254: J4.2 148.87,64.68 v1(155.65,71.46)
SDA: length 30.2
  Top w0.254: v1(122.73,60.27) 122.73,66.53 131.74,75.53
  Bottom w0.254: J2.1 119.06,56.6 v1(122.73,60.27)
SDA_r: length 32.1
  Top w0.254: 159.01,75.56 155.83,75.56 v1(155.83,75.57)
  Bottom w0.254: v1(155.83,75.57) 155.83,72.77 146.33,63.27 J4.1
Net-(BATJ1-Pin_2): length 12.7
  Bottom w0.5: BATJ2.1 127.4,47.83 125.39,49.85 BATJ1.2 ; 128.04,46.86 v1(130.49,44.41)
Net-(BATJ3-Pin_2): length 16
  Top w0.5: BATJ4.1 145.03,41.78 PSW_r1.2
  Bottom w0.5: BATJ3.2 150.14,46.89 BATJ4.1
Net-(D1-A): length 4.3
  Bottom w0.25: D1.2 1.48,78.19
Net-(D2-A): length 3.8
  Bottom w0.25: D2.2 19.98,78.69
Net-(D3-A): length 3
  Bottom w0.25: D3.2 38.48,83.94 SW3.2
Net-(D4-A): length 3.2
  Bottom w0.25: D4.2 57.98,85.82
Net-(D5-A): length 3.8
  Bottom w0.25: D5.2 77.23,83.19
Net-(D6-A): length 4.4
  Bottom w0.25: 96.52,80.53 95.48,81.57 D6.2
Net-(D8-A): length 4.9
  Bottom w0.25: D8.2 20.73,59.37
Net-(D9-A): length 4.2
  Bottom w0.25: SW9.2 38.73,64.69 D9.2
Net-(D10-A): length 4.3
  Bottom w0.25: D10.2 57.73,67.07 SW10.2
Net-(D11-A): length 4.4
  Bottom w0.25: D11.2 76.73,64.69 SW11.2
Net-(D12-A): length 4.5
  Bottom w0.25: SW12.2 95.73,62.32 D12.2
Net-(D13-A): length 4.1
  Bottom w0.25: D13.2 1.48,40.19
Net-(D14-A): length 4.4
  Bottom w0.25: D14.2 19.73,40.94 SW14.2
Net-(D15-A): length 4.4
  Bottom w0.25: D15.2 38.73,45.69 SW15.2
Net-(D16-A): length 4.3
  Bottom w0.25: SW16.2 57.73,48.07 D16.2
Net-(D17-A): length 4.4
  Bottom w0.25: D17.2 76.73,45.69 SW17.2
Net-(D18-A): length 4.5
  Bottom w0.25: SW18.2 95.73,43.32 D18.2
Net-(D19-A): length 4.5
  Bottom w0.25: SW19.2 67.23,26.07 D19.2
Net-(D20-A): length 3.9
  Bottom w0.25: D20.2 88.77,25.14
Net-(D21-A): length 4.7
  Bottom w0.25: D21.2 122.21,29.66 SW21.2
Net-(D22-A): length 4.9
  Bottom w0.25: D22.2 257.48,78.9 SW22.2
Net-(D23-A): length 4.9
  Bottom w0.25: SW23.2 238.48,78.9 D23.2
Net-(D24-A): length 4.6
  Bottom w0.25: SW24.2 219.48,83.65 D24.2
Net-(D25-A): length 4.5
  Bottom w0.25: D25.2 200.48,86.03 SW25.2
Net-(D26-A): length 4.1
  Bottom w0.25: SW26.2 181.48,83.65 D26.2
Net-(D27-A): length 4.3
  Bottom w0.25: 163.22,80.53 162.48,81.27 D27.2
Net-(D29-A): length 4.9
  Bottom w0.25: SW29.2 238.48,59.9 D29.2
Net-(D30-A): length 4.6
  Bottom w0.25: SW30.2 219.48,64.65 D30.2
Net-(D31-A): length 4.5
  Bottom w0.25: SW31.2 200.48,67.03 D31.2
Net-(D32-A): length 4.6
  Bottom w0.25: SW32.2 181.48,64.65 D32.2
Net-(D33-A): length 4.5
  Bottom w0.25: D33.2 162.48,62.28 SW33.2
Net-(D34-A): length 5.1
  Bottom w0.25: D34.2 257.48,40.9 SW34.2
Net-(D35-A): length 5.1
  Bottom w0.25: D35.2 238.48,40.9 SW35.2
Net-(D36-A): length 4.6
  Bottom w0.25: 220.23,44.91 219.48,45.65 D36.2
Net-(D37-A): length 4.5
  Bottom w0.25: D37.2 200.48,48.03 SW37.2
Net-(D38-A): length 4.6
  Bottom w0.25: D38.2 181.48,45.65 182.23,44.91
Net-(D39-A): length 5
  Bottom w0.25: SW39.2 162.48,43.28 D39.2
Net-(D40-A): length 4.5
  Bottom w0.25: SW40.2 190.98,26.03 D40.2
Net-(D41-A): length 6.2
  Bottom w0.25: 171.19,21.38 D41.2
Net-(D42-A): length 3.3
  Bottom w0.25: D42.2 165.45,15.5 SW42.2

## Copper pours and planes (outline as drawn; the poured copper is in the pictures)
(no net) on Top, Bottom: -12.75,127.59 283.84,127.59 284.22,-82.21 -12.83,-82.18

## Text on the board
B.Silkscreen: Corne Cherry Wireless v1.0.0 PCB Designed by foostan & GSV-CargoCult
